# EAGLE board Mk4 Final Panel 8up 2x4 (EAGLE 9.0.1), part 7 of 23
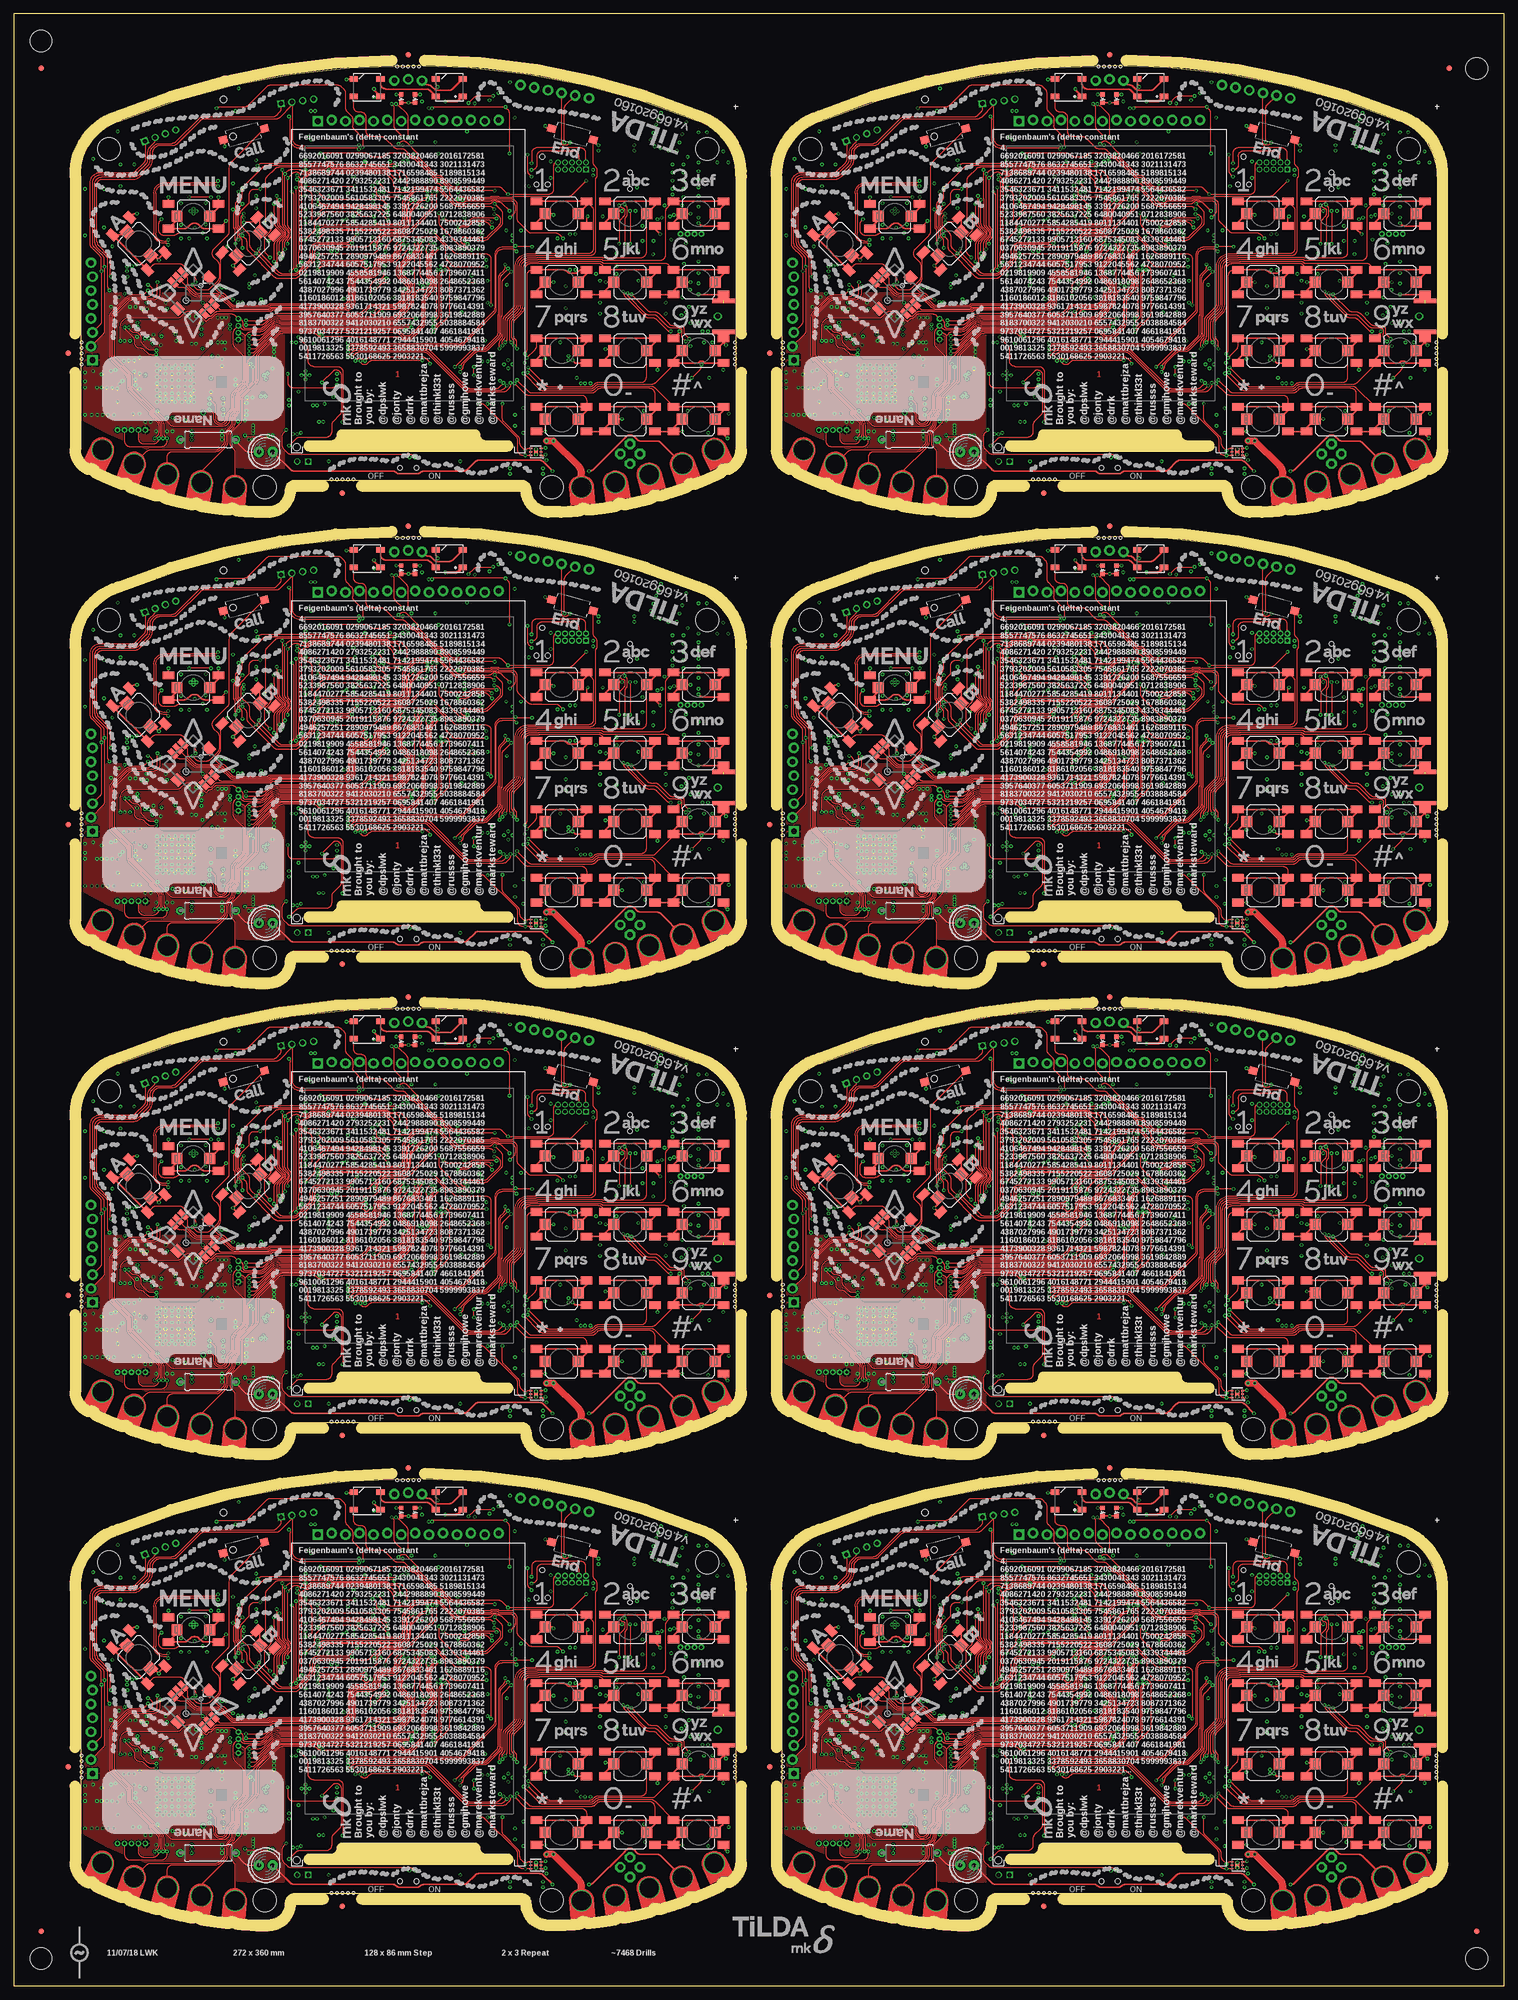
[diagram p0: board, top side]
## Tracks (layer width: path | path; a pad name or v marks a point on that pad's centre or on a via) (continued)
!RESET4  (via drill 0.3) (continued)
  Bottom 0.15: IC74.70 67.8,245.59 arc-45 67.95,245.95 68.25,246.25 arc-45 68.61,246.4 68.79,246.4 arc45 69.15,246.55 69.85,247.25 arc45 70,247.61 C449.2 | R322.1 70,249.79 arc-45 70.15,250.15 v70.25,250.25 | v80.5,209.5 80.5,203.82 arc45 81.01,202.59 86.09,197.51 arc45 87.33,197 90.45,197 arc-90 91.7,195.75 91.7,194.16 arc-45 91.41,193.46 90.41,192.46 arc-45 90.27,192.4 89.56,192.4 arc45 89.42,192.34 89.38,192.31 arc-45 89.24,192.25 S103.2
  Bottom 0.2: C449.2 R322.1
!RESET5  (via drill 0.3)
  Top 0.15: v217.7,228.2 217.7,227.81 arc-45 217.41,227.11 216.82,226.52 arc45 216.53,225.81 216.53,219.15 arc-45 216.5,219.08 216.43,219.01 arc45 216.4,218.94 216.4,215.76 arc-45 216.11,215.06 214.24,213.19 arc-45 213.54,212.9 212.31,212.9 arc45 211.61,212.61 v208.5,209.5
  Top 0.2: J53.10 226.84,246.84 arc45 226.6,246.27 226.6,242.05 arc-90 225.6,241.05 v218.2,241.05 217.19,242.06 arc45 216.49,242.35 208.46,242.35 arc-45 207.75,242.64 206.14,244.25 arc45 205.79,244.4 205.67,244.4 arc-45 204.96,244.69 202.02,247.63 arc-45 201.73,248.34 arc45 201.6,248.65 199.83,250.42 arc90 198.42,250.42 v198.25,250.25
  3V3@2 0.15: v218.2,241.05 218.2,238.8 216.62,237.22 216.62,236.38 216.5,236.26 216.5,230.65 217.7,229.45 v217.7,228.2
  Bottom 0.15: IC92.70 195.8,245.59 arc-45 195.95,245.95 196.25,246.25 arc-45 196.61,246.4 196.79,246.4 arc45 197.15,246.55 197.85,247.25 arc45 198,247.61 C557.2 | R400.1 198,249.79 arc-45 198.15,250.15 v198.25,250.25 | v208.5,209.5 208.5,203.82 arc45 209.01,202.59 214.09,197.51 arc45 215.32,197 218.45,197 arc-90 219.7,195.75 219.7,194.16 arc-45 219.41,193.46 218.41,192.46 arc-45 218.27,192.4 217.56,192.4 arc45 217.42,192.34 217.38,192.31 arc-45 217.24,192.25 S124.2
  Bottom 0.2: C557.2 R400.1
!RESET6  (via drill 0.3)
  Top 0.15: v89.7,314.2 89.7,313.81 arc-45 89.41,313.11 88.82,312.52 arc45 88.53,311.81 88.53,305.15 arc-45 88.5,305.08 88.43,305.01 arc45 88.4,304.94 88.4,301.76 arc-45 88.11,301.06 86.24,299.19 arc-45 85.54,298.9 84.31,298.9 arc45 83.61,298.61 v80.5,295.5
  Top 0.2: J63.10 98.84,332.83 arc45 98.6,332.27 98.6,328.05 arc-90 97.6,327.05 v90.2,327.05 89.19,328.06 arc45 88.49,328.35 80.46,328.35 arc-45 79.75,328.64 78.14,330.25 arc45 77.79,330.4 77.67,330.4 arc-45 76.96,330.69 74.02,333.63 arc-45 73.73,334.34 arc45 73.6,334.65 71.83,336.42 arc90 70.42,336.42 v70.25,336.25
  3V3@2 0.15: v90.2,327.05 90.2,324.8 88.62,323.23 88.62,322.38 88.5,322.26 88.5,316.65 89.7,315.45 v89.7,314.2
  Bottom 0.15: IC110.70 67.8,331.59 arc-45 67.95,331.95 68.25,332.25 arc-45 68.61,332.4 68.79,332.4 arc45 69.15,332.55 69.85,333.25 arc45 70,333.61 C665.2 | R478.1 70,335.79 arc-45 70.15,336.15 v70.25,336.25 | v80.5,295.5 80.5,289.82 arc45 81.01,288.59 86.09,283.51 arc45 87.33,283 90.45,283 arc-90 91.7,281.75 91.7,280.16 arc-45 91.41,279.46 90.41,278.46 arc-45 90.27,278.4 89.56,278.4 arc45 89.42,278.34 89.38,278.31 arc-45 89.24,278.25 S145.2
  Bottom 0.2: C665.2 R478.1
!RESET7  (via drill 0.3)
  Top 0.15: v217.7,314.2 217.7,313.81 arc-45 217.41,313.11 216.82,312.52 arc45 216.53,311.81 216.53,305.15 arc-45 216.5,305.08 216.43,305.01 arc45 216.4,304.94 216.4,301.76 arc-45 216.11,301.06 214.24,299.19 arc-45 213.54,298.9 212.31,298.9 arc45 211.61,298.61 v208.5,295.5
  Top 0.2: J73.10 226.84,332.83 arc45 226.6,332.27 226.6,328.05 arc-90 225.6,327.05 v218.2,327.05 217.19,328.06 arc45 216.49,328.35 208.46,328.35 arc-45 207.75,328.64 206.14,330.25 arc45 205.79,330.4 205.67,330.4 arc-45 204.96,330.69 202.02,333.63 arc-45 201.73,334.34 arc45 201.6,334.65 199.83,336.42 arc90 198.42,336.42 v198.25,336.25
  3V3@2 0.15: v218.2,327.05 218.2,324.8 216.62,323.23 216.62,322.38 216.5,322.26 216.5,316.65 217.7,315.45 v217.7,314.2
  Bottom 0.15: IC128.70 195.8,331.59 arc-45 195.95,331.95 196.25,332.25 arc-45 196.61,332.4 196.79,332.4 arc45 197.15,332.55 197.85,333.25 arc45 198,333.61 C773.2 | R556.1 198,335.79 arc-45 198.15,336.15 v198.25,336.25 | v208.5,295.5 208.5,289.82 arc45 209.01,288.59 214.09,283.51 arc45 215.32,283 218.45,283 arc-90 219.7,281.75 219.7,280.16 arc-45 219.41,279.46 218.41,278.46 arc-45 218.27,278.4 217.56,278.4 arc45 217.42,278.34 217.38,278.31 arc-45 217.24,278.25 S166.2
  Bottom 0.2: C773.2 R556.1
!WAKE  (via drill 0.3)
  Top 0.15: v66.5,71.2 68.11,69.59 arc45 68.81,69.3 71.87,69.3 arc45 72.22,69.45 72.81,70.03 arc-45 73.52,70.33 77.23,70.33 arc-45 77.76,70.1 80.4,67.47 arc45 81.11,67.17 82.24,67.17 82.27,67.2 86.54,67.2 arc45 87.25,67.49 87.52,67.77 arc-45 87.66,67.83 87.94,67.83 arc-45 88.08,67.77 88.18,67.66 arc45 88.33,67.6 88.49,67.6 arc-45 89.19,67.31 v90.5,66 | v81.5,37.5 81.52,37.52 arc-45 81.75,38.08 83.98,40.31 arc-45 84.69,40.6 85.66,40.6 arc45 86.37,40.89 88.41,42.93 arc45 88.7,43.64 88.7,46.82 arc-45 88.73,46.89 88.8,46.96 arc45 88.83,47.03 88.83,53.66 arc-45 89.12,54.37 v90.22,55.48
  3V3@2 0.15: v90.22,55.48 90.22,56.58 90.1,56.7 90.1,57.48 88.8,58.78 88.8,64.13 88.92,64.26 88.92,64.42 v90.5,66
  Bottom 0.15: S20.2 64.25,20.25 65.21,19.29 arc45 65.91,19 68.88,19 arc-45 69.58,18.71 69.97,18.32 arc45 70.32,18.18 73.68,18.18 arc45 74.03,18.32 74.42,18.71 arc-45 75.12,19 88.09,19 arc45 88.79,19.29 89.54,20.04 arc-45 89.68,20.1 90.39,20.1 arc45 90.53,20.16 91.63,21.26 arc45 92,22.14 92,23.8 arc90 90.5,25.3 87.4,25.3 arc-45 86.34,25.74 81.34,30.74 arc-45 80.9,31.8 80.9,36.49 arc-45 81.19,37.19 v81.5,37.5 | IC1.64 v66.5,71.2
  Bottom 0.2: IC1.64 62.7,71.2 R5.1
!WAKE1  (via drill 0.3)
  Top 0.15: v194.5,71.2 196.11,69.59 arc45 196.81,69.3 199.87,69.3 arc45 200.22,69.45 200.81,70.03 arc-45 201.51,70.33 205.23,70.33 arc-45 205.76,70.1 208.4,67.47 arc45 209.11,67.17 210.24,67.17 210.27,67.2 214.54,67.2 arc45 215.25,67.49 215.52,67.77 arc-45 215.66,67.83 215.94,67.83 arc-45 216.08,67.77 216.18,67.66 arc45 216.32,67.6 216.49,67.6 arc-45 217.19,67.31 v218.5,66 | v209.5,37.5 209.52,37.52 arc-45 209.75,38.08 211.98,40.31 arc-45 212.69,40.6 213.66,40.6 arc45 214.37,40.89 216.41,42.93 arc45 216.7,43.64 216.7,46.82 arc-45 216.73,46.89 216.8,46.96 arc45 216.82,47.03 216.82,53.66 arc-45 217.12,54.37 v218.22,55.48
  3V3@2 0.15: v218.22,55.48 218.22,56.58 218.1,56.7 218.1,57.48 216.8,58.78 216.8,64.13 216.93,64.26 216.93,64.42 v218.5,66
  Bottom 0.15: S41.2 192.25,20.25 193.21,19.29 arc45 193.91,19 196.88,19 arc-45 197.58,18.71 197.97,18.32 arc45 198.32,18.18 201.68,18.18 arc45 202.03,18.32 202.41,18.71 arc-45 203.12,19 216.09,19 arc45 216.79,19.29 217.54,20.04 arc-45 217.68,20.1 218.39,20.1 arc45 218.53,20.16 219.63,21.26 arc45 220,22.14 220,23.8 arc90 218.5,25.3 215.4,25.3 arc-45 214.34,25.74 209.34,30.74 arc-45 208.9,31.8 208.9,36.49 arc-45 209.19,37.19 v209.5,37.5 | IC20.64 v194.5,71.2
  Bottom 0.2: IC20.64 190.7,71.2 R89.1
!WAKE2  (via drill 0.3)
  Top 0.15: v66.5,157.2 68.11,155.59 arc45 68.81,155.3 71.87,155.3 arc45 72.22,155.45 72.81,156.03 arc-45 73.52,156.32 77.23,156.32 arc-45 77.76,156.1 80.4,153.47 arc45 81.11,153.18 82.24,153.18 82.27,153.2 86.54,153.2 arc45 87.25,153.49 87.52,153.77 arc-45 87.66,153.82 87.94,153.82 arc-45 88.08,153.77 88.18,153.66 arc45 88.33,153.6 88.49,153.6 arc-45 89.19,153.31 v90.5,152 | v81.5,123.5 81.52,123.52 arc-45 81.75,124.08 83.98,126.31 arc-45 84.69,126.6 85.66,126.6 arc45 86.37,126.89 88.41,128.93 arc45 88.7,129.64 88.7,132.82 arc-45 88.73,132.89 88.8,132.96 arc45 88.83,133.03 88.83,139.66 arc-45 89.12,140.37 v90.22,141.47
  3V3@2 0.15: v90.22,141.47 90.22,142.57 90.1,142.7 90.1,143.48 88.8,144.78 88.8,150.13 88.92,150.26 88.92,150.43 v90.5,152
  Bottom 0.15: S62.2 64.25,106.25 65.21,105.29 arc45 65.91,105 68.88,105 arc-45 69.58,104.71 69.97,104.32 arc45 70.32,104.17 73.68,104.17 arc45 74.03,104.32 74.42,104.71 arc-45 75.12,105 88.09,105 arc45 88.79,105.29 89.54,106.04 arc-45 89.68,106.1 90.39,106.1 arc45 90.53,106.16 91.63,107.26 arc45 92,108.14 92,109.8 arc90 90.5,111.3 87.4,111.3 arc-45 86.34,111.74 81.34,116.74 arc-45 80.9,117.8 80.9,122.49 arc-45 81.19,123.19 v81.5,123.5 | IC38.64 v66.5,157.2
  Bottom 0.2: IC38.64 62.7,157.2 R167.1
!WAKE3  (via drill 0.3)
  Top 0.15: v194.5,157.2 196.11,155.59 arc45 196.81,155.3 199.87,155.3 arc45 200.22,155.45 200.81,156.03 arc-45 201.51,156.32 205.23,156.32 arc-45 205.76,156.1 208.4,153.47 arc45 209.11,153.18 210.24,153.18 210.27,153.2 214.54,153.2 arc45 215.25,153.49 215.52,153.77 arc-45 215.66,153.82 215.94,153.82 arc-45 216.08,153.77 216.18,153.66 arc45 216.32,153.6 216.49,153.6 arc-45 217.19,153.31 v218.5,152 | v209.5,123.5 209.52,123.52 arc-45 209.75,124.08 211.98,126.31 arc-45 212.69,126.6 213.66,126.6 arc45 214.37,126.89 216.41,128.93 arc45 216.7,129.64 216.7,132.82 arc-45 216.73,132.89 216.8,132.96 arc45 216.82,133.03 216.82,139.66 arc-45 217.12,140.37 v218.22,141.47
  3V3@2 0.15: v218.22,141.47 218.22,142.57 218.1,142.7 218.1,143.48 216.8,144.78 216.8,150.13 216.93,150.26 216.93,150.43 v218.5,152
  Bottom 0.15: S83.2 192.25,106.25 193.21,105.29 arc45 193.91,105 196.88,105 arc-45 197.58,104.71 197.97,104.32 arc45 198.32,104.17 201.68,104.17 arc45 202.03,104.32 202.41,104.71 arc-45 203.12,105 216.09,105 arc45 216.79,105.29 217.54,106.04 arc-45 217.68,106.1 218.39,106.1 arc45 218.53,106.16 219.63,107.26 arc45 220,108.14 220,109.8 arc90 218.5,111.3 215.4,111.3 arc-45 214.34,111.74 209.34,116.74 arc-45 208.9,117.8 208.9,122.49 arc-45 209.19,123.19 v209.5,123.5 | IC56.64 v194.5,157.2
  Bottom 0.2: IC56.64 190.7,157.2 R245.1
!WAKE4  (via drill 0.3)
  Top 0.15: v66.5,243.2 68.11,241.59 arc45 68.81,241.3 71.87,241.3 arc45 72.22,241.45 72.81,242.03 arc-45 73.52,242.32 77.23,242.32 arc-45 77.76,242.1 80.4,239.47 arc45 81.11,239.18 82.24,239.18 82.27,239.2 86.54,239.2 arc45 87.25,239.49 87.52,239.77 arc-45 87.66,239.82 87.94,239.82 arc-45 88.08,239.77 88.18,239.66 arc45 88.33,239.6 88.49,239.6 arc-45 89.19,239.31 v90.5,238 | v81.5,209.5 81.52,209.52 arc-45 81.75,210.07 83.98,212.31 arc-45 84.69,212.6 85.66,212.6 arc45 86.37,212.89 88.41,214.93 arc45 88.7,215.64 88.7,218.82 arc-45 88.73,218.89 88.8,218.96 arc45 88.83,219.03 88.83,225.66 arc-45 89.12,226.37 v90.22,227.47
  3V3@2 0.15: v90.22,227.47 90.22,228.57 90.1,228.7 90.1,229.48 88.8,230.78 88.8,236.13 88.92,236.26 88.92,236.43 v90.5,238
  Bottom 0.15: S104.2 64.25,192.25 65.21,191.29 arc45 65.91,191 68.88,191 arc-45 69.58,190.71 69.97,190.32 arc45 70.32,190.18 73.68,190.18 arc45 74.03,190.32 74.42,190.71 arc-45 75.12,191 88.09,191 arc45 88.79,191.29 89.54,192.04 arc-45 89.68,192.1 90.39,192.1 arc45 90.53,192.16 91.63,193.26 arc45 92,194.14 92,195.8 arc90 90.5,197.3 87.4,197.3 arc-45 86.34,197.74 81.34,202.74 arc-45 80.9,203.8 80.9,208.49 arc-45 81.19,209.19 v81.5,209.5 | IC74.64 v66.5,243.2
  Bottom 0.2: IC74.64 62.7,243.2 R323.1
!WAKE5  (via drill 0.3)
  Top 0.15: v194.5,243.2 196.11,241.59 arc45 196.81,241.3 199.87,241.3 arc45 200.22,241.45 200.81,242.03 arc-45 201.51,242.32 205.23,242.32 arc-45 205.76,242.1 208.4,239.47 arc45 209.11,239.18 210.24,239.18 210.27,239.2 214.54,239.2 arc45 215.25,239.49 215.52,239.77 arc-45 215.66,239.82 215.94,239.82 arc-45 216.08,239.77 216.18,239.66 arc45 216.32,239.6 216.49,239.6 arc-45 217.19,239.31 v218.5,238 | v209.5,209.5 209.52,209.52 arc-45 209.75,210.07 211.98,212.31 arc-45 212.69,212.6 213.66,212.6 arc45 214.37,212.89 216.41,214.93 arc45 216.7,215.64 216.7,218.82 arc-45 216.73,218.89 216.8,218.96 arc45 216.82,219.03 216.82,225.66 arc-45 217.12,226.37 v218.22,227.47
  3V3@2 0.15: v218.22,227.47 218.22,228.57 218.1,228.7 218.1,229.48 216.8,230.78 216.8,236.13 216.93,236.26 216.93,236.43 v218.5,238
  Bottom 0.15: S125.2 192.25,192.25 193.21,191.29 arc45 193.91,191 196.88,191 arc-45 197.58,190.71 197.97,190.32 arc45 198.32,190.18 201.68,190.18 arc45 202.03,190.32 202.41,190.71 arc-45 203.12,191 216.09,191 arc45 216.79,191.29 217.54,192.04 arc-45 217.68,192.1 218.39,192.1 arc45 218.53,192.16 219.63,193.26 arc45 220,194.14 220,195.8 arc90 218.5,197.3 215.4,197.3 arc-45 214.34,197.74 209.34,202.74 arc-45 208.9,203.8 208.9,208.49 arc-45 209.19,209.19 v209.5,209.5 | IC92.64 v194.5,243.2
  Bottom 0.2: IC92.64 190.7,243.2 R401.1
!WAKE6  (via drill 0.3)
  Top 0.15: v66.5,329.2 68.11,327.59 arc45 68.81,327.3 71.87,327.3 arc45 72.22,327.45 72.81,328.03 arc-45 73.52,328.32 77.23,328.32 arc-45 77.76,328.11 80.4,325.47 arc45 81.11,325.18 82.24,325.18 82.27,325.2 86.54,325.2 arc45 87.25,325.49 87.52,325.77 arc-45 87.66,325.82 87.94,325.82 arc-45 88.08,325.77 88.18,325.66 arc45 88.33,325.6 88.49,325.6 arc-45 89.19,325.31 v90.5,324 | v81.5,295.5 81.52,295.52 arc-45 81.75,296.07 83.98,298.31 arc-45 84.69,298.6 85.66,298.6 arc45 86.37,298.89 88.41,300.93 arc45 88.7,301.64 88.7,304.82 arc-45 88.73,304.89 88.8,304.96 arc45 88.83,305.03 88.83,311.66 arc-45 89.12,312.37 v90.22,313.48
  3V3@2 0.15: v90.22,313.48 90.22,314.57 90.1,314.7 90.1,315.48 88.8,316.78 88.8,322.13 88.92,322.26 88.92,322.43 v90.5,324
  Bottom 0.15: S146.2 64.25,278.25 65.21,277.29 arc45 65.91,277 68.88,277 arc-45 69.58,276.71 69.97,276.32 arc45 70.32,276.18 73.68,276.18 arc45 74.03,276.32 74.42,276.71 arc-45 75.12,277 88.09,277 arc45 88.79,277.29 89.54,278.04 arc-45 89.68,278.1 90.39,278.1 arc45 90.53,278.16 91.63,279.26 arc45 92,280.14 92,281.8 arc90 90.5,283.3 87.4,283.3 arc-45 86.34,283.74 81.34,288.74 arc-45 80.9,289.8 80.9,294.49 arc-45 81.19,295.19 v81.5,295.5 | IC110.64 v66.5,329.2
  Bottom 0.2: IC110.64 62.7,329.2 R479.1
!WAKE7  (via drill 0.3)
  Top 0.15: v194.5,329.2 196.11,327.59 arc45 196.81,327.3 199.87,327.3 arc45 200.22,327.45 200.81,328.03 arc-45 201.51,328.32 205.23,328.32 arc-45 205.76,328.11 208.4,325.47 arc45 209.11,325.18 210.24,325.18 210.27,325.2 214.54,325.2 arc45 215.25,325.49 215.52,325.77 arc-45 215.66,325.82 215.94,325.82 arc-45 216.08,325.77 216.18,325.66 arc45 216.32,325.6 216.49,325.6 arc-45 217.19,325.31 v218.5,324 | v209.5,295.5 209.52,295.52 arc-45 209.75,296.07 211.98,298.31 arc-45 212.69,298.6 213.66,298.6 arc45 214.37,298.89 216.41,300.93 arc45 216.7,301.64 216.7,304.82 arc-45 216.73,304.89 216.8,304.96 arc45 216.82,305.03 216.82,311.66 arc-45 217.12,312.37 v218.22,313.48
  3V3@2 0.15: v218.22,313.48 218.22,314.57 218.1,314.7 218.1,315.48 216.8,316.78 216.8,322.13 216.93,322.26 216.93,322.43 v218.5,324
  Bottom 0.15: S167.2 192.25,278.25 193.21,277.29 arc45 193.91,277 196.88,277 arc-45 197.58,276.71 197.97,276.32 arc45 198.32,276.18 201.68,276.18 arc45 202.03,276.32 202.41,276.71 arc-45 203.12,277 216.09,277 arc45 216.79,277.29 217.54,278.04 arc-45 217.68,278.1 218.39,278.1 arc45 218.53,278.16 219.63,279.26 arc45 220,280.14 220,281.8 arc90 218.5,283.3 215.4,283.3 arc-45 214.34,283.74 209.34,288.74 arc-45 208.9,289.8 208.9,294.49 arc-45 209.19,295.19 v209.5,295.5 | IC128.64 v194.5,329.2
  Bottom 0.2: IC128.64 190.7,329.2 R557.1
ADC1_HALL  (via drill 0.3)
  Top 0.15: v83,53 v84.25,53
  Bottom 0.15: IC1.13 73.4,55.06 arc-45 73.11,54.36 73.04,54.29 arc45 72.75,53.59 72.75,52.5 arc90 73.75,51.5 78.34,51.5 arc45 79.04,51.79 79.67,52.42 arc-45 80.38,52.72 82.55,52.72 82.83,53 v83,53 | v84.25,53 84.96,52.29 arc45 85.66,52 87.59,52 arc-45 88.29,51.71 94.11,45.89 arc-45 94.4,45.19 94.4,39.33 arc45 94.91,38.09 99.79,33.21 arc45 101.03,32.7 104.5,32.7 arc-90 105.5,31.7 105.5,23.91 arc-45 105.21,23.21 104.54,22.54 arc-45 103.84,22.25 IC18.2
ADC1_HALL1  (via drill 0.3)
  Top 0.15: v211,53 v212.25,53
  Bottom 0.15: IC20.13 201.4,55.06 arc-45 201.11,54.36 201.04,54.29 arc45 200.75,53.59 200.75,52.5 arc90 201.75,51.5 206.34,51.5 arc45 207.04,51.79 207.67,52.42 arc-45 208.38,52.72 210.54,52.72 210.83,53 v211,53 | v212.25,53 212.96,52.29 arc45 213.66,52 215.59,52 arc-45 216.29,51.71 222.11,45.89 arc-45 222.4,45.19 222.4,39.33 arc45 222.91,38.09 227.79,33.21 arc45 229.03,32.7 232.5,32.7 arc-90 233.5,31.7 233.5,23.91 arc-45 233.21,23.21 232.54,22.54 arc-45 231.84,22.25 IC36.2
ADC1_HALL2  (via drill 0.3)
  Top 0.15: v83,139 v84.25,139
  Bottom 0.15: IC38.13 73.4,141.06 arc-45 73.11,140.36 73.04,140.29 arc45 72.75,139.59 72.75,138.5 arc90 73.75,137.5 78.34,137.5 arc45 79.04,137.79 79.67,138.42 arc-45 80.38,138.72 82.55,138.72 82.83,139 v83,139 | v84.25,139 84.96,138.29 arc45 85.66,138 87.59,138 arc-45 88.29,137.71 94.11,131.89 arc-45 94.4,131.19 94.4,125.33 arc45 94.91,124.09 99.79,119.21 arc45 101.03,118.7 104.5,118.7 arc-90 105.5,117.7 105.5,109.91 arc-45 105.21,109.21 104.54,108.54 arc-45 103.84,108.25 IC54.2
ADC1_HALL3  (via drill 0.3)
  Top 0.15: v211,139 v212.25,139
  Bottom 0.15: IC56.13 201.4,141.06 arc-45 201.11,140.36 201.04,140.29 arc45 200.75,139.59 200.75,138.5 arc90 201.75,137.5 206.34,137.5 arc45 207.04,137.79 207.67,138.42 arc-45 208.38,138.72 210.54,138.72 210.83,139 v211,139 | v212.25,139 212.96,138.29 arc45 213.66,138 215.59,138 arc-45 216.29,137.71 222.11,131.89 arc-45 222.4,131.19 222.4,125.33 arc45 222.91,124.09 227.79,119.21 arc45 229.03,118.7 232.5,118.7 arc-90 233.5,117.7 233.5,109.91 arc-45 233.21,109.21 232.54,108.54 arc-45 231.84,108.25 IC72.2
ADC1_HALL4  (via drill 0.3)
  Top 0.15: v83,225 v84.25,225
  Bottom 0.15: IC74.13 73.4,227.06 arc-45 73.11,226.36 73.04,226.29 arc45 72.75,225.59 72.75,224.5 arc90 73.75,223.5 78.34,223.5 arc45 79.04,223.79 79.67,224.42 arc-45 80.38,224.72 82.55,224.72 82.83,225 v83,225 | v84.25,225 84.96,224.29 arc45 85.66,224 87.59,224 arc-45 88.29,223.71 94.11,217.89 arc-45 94.4,217.19 94.4,211.32 arc45 94.91,210.09 99.79,205.21 arc45 101.03,204.7 104.5,204.7 arc-90 105.5,203.7 105.5,195.91 arc-45 105.21,195.21 104.54,194.54 arc-45 103.84,194.25 IC90.2
ADC1_HALL5  (via drill 0.3)
  Top 0.15: v211,225 v212.25,225
  Bottom 0.15: IC92.13 201.4,227.06 arc-45 201.11,226.36 201.04,226.29 arc45 200.75,225.59 200.75,224.5 arc90 201.75,223.5 206.34,223.5 arc45 207.04,223.79 207.67,224.42 arc-45 208.38,224.72 210.54,224.72 210.83,225 v211,225 | v212.25,225 212.96,224.29 arc45 213.66,224 215.59,224 arc-45 216.29,223.71 222.11,217.89 arc-45 222.4,217.19 222.4,211.32 arc45 222.91,210.09 227.79,205.21 arc45 229.03,204.7 232.5,204.7 arc-90 233.5,203.7 233.5,195.91 arc-45 233.21,195.21 232.54,194.54 arc-45 231.84,194.25 IC108.2
ADC1_HALL6  (via drill 0.3)
  Top 0.15: v83,311 v84.25,311
  Bottom 0.15: IC110.13 73.4,313.06 arc-45 73.11,312.36 73.04,312.29 arc45 72.75,311.59 72.75,310.5 arc90 73.75,309.5 78.34,309.5 arc45 79.04,309.79 79.67,310.42 arc-45 80.38,310.71 82.55,310.71 82.83,311 v83,311 | v84.25,311 84.96,310.29 arc45 85.66,310 87.59,310 arc-45 88.29,309.71 94.11,303.89 arc-45 94.4,303.19 94.4,297.32 arc45 94.91,296.09 99.79,291.21 arc45 101.03,290.7 104.5,290.7 arc-90 105.5,289.7 105.5,281.91 arc-45 105.21,281.21 104.54,280.54 arc-45 103.84,280.25 IC126.2
ADC1_HALL7  (via drill 0.3)
  Top 0.15: v211,311 v212.25,311
  Bottom 0.15: IC128.13 201.4,313.06 arc-45 201.11,312.36 201.04,312.29 arc45 200.75,311.59 200.75,310.5 arc90 201.75,309.5 206.34,309.5 arc45 207.04,309.79 207.67,310.42 arc-45 208.38,310.71 210.54,310.71 210.83,311 v211,311 | v212.25,311 212.96,310.29 arc45 213.66,310 215.59,310 arc-45 216.29,309.71 222.11,303.89 arc-45 222.4,303.19 222.4,297.32 arc45 222.91,296.09 227.79,291.21 arc45 229.03,290.7 232.5,290.7 arc-90 233.5,289.7 233.5,281.91 arc-45 233.21,281.21 232.54,280.54 arc-45 231.84,280.25 IC144.2
AIN6_SPK_ADC  (via drill 0.3)
  Top 0.15: v87.7,65.4 87.8,65.4 arc-90 88.8,64.4 88.8,64.01 arc-45 88.51,63.31 86.47,61.27 arc-45 85.76,60.98 82.83,60.98 82.75,61.05 arc45 82.39,61.2 82.1,61.2 arc90 81.6,60.7 81.6,60.5 arc90 82.1,60 v82.8,60
  Bottom 0.15: R46.2 94.75,64.4 arc90 93.75,65.4 92.6,65.4 | v87.7,65.4 92.6,65.4 | v82.8,60 81.71,60 arc45 81.35,59.85 81.25,59.75 arc-45 80.89,59.6 IC1.126 | IC11.7 92.67,65.33 92.6,65.4
AIN6_SPK_ADC1  (via drill 0.3)
  Top 0.15: v215.7,65.4 215.8,65.4 arc-90 216.8,64.4 216.8,64.01 arc-45 216.51,63.31 214.47,61.27 arc-45 213.76,60.98 210.82,60.98 210.75,61.05 arc45 210.39,61.2 210.1,61.2 arc90 209.6,60.7 209.6,60.5 arc90 210.1,60 v210.8,60
  Bottom 0.15: R127.2 222.75,64.4 arc90 221.75,65.4 220.6,65.4 | v215.7,65.4 220.6,65.4 | v210.8,60 209.71,60 arc45 209.35,59.85 209.25,59.75 arc-45 208.89,59.6 IC20.126 | IC26.7 220.68,65.33 220.6,65.4
AIN6_SPK_ADC2  (via drill 0.3)
  Top 0.15: v87.7,151.4 87.8,151.4 arc-90 88.8,150.4 88.8,150.01 arc-45 88.51,149.31 86.47,147.27 arc-45 85.76,146.97 82.83,146.97 82.75,147.05 arc45 82.39,147.2 82.1,147.2 arc90 81.6,146.7 81.6,146.5 arc90 82.1,146 v82.8,146
  Bottom 0.15: R205.2 94.75,150.4 arc90 93.75,151.4 92.6,151.4 | v87.7,151.4 92.6,151.4 | v82.8,146 81.71,146 arc45 81.35,145.85 81.25,145.75 arc-45 80.89,145.6 IC38.126 | IC44.7 92.67,151.32 92.6,151.4
AIN6_SPK_ADC3  (via drill 0.3)
  Top 0.15: v215.7,151.4 215.8,151.4 arc-90 216.8,150.4 216.8,150.01 arc-45 216.51,149.31 214.47,147.27 arc-45 213.76,146.97 210.82,146.97 210.75,147.05 arc45 210.39,147.2 210.1,147.2 arc90 209.6,146.7 209.6,146.5 arc90 210.1,146 v210.8,146
  Bottom 0.15: R283.2 222.75,150.4 arc90 221.75,151.4 220.6,151.4 | v215.7,151.4 220.6,151.4 | v210.8,146 209.71,146 arc45 209.35,145.85 209.25,145.75 arc-45 208.89,145.6 IC56.126 | IC62.7 220.68,151.32 220.6,151.4
AIN6_SPK_ADC4  (via drill 0.3)
  Top 0.15: v87.7,237.4 87.8,237.4 arc-90 88.8,236.4 88.8,236.01 arc-45 88.51,235.31 86.47,233.27 arc-45 85.76,232.97 82.83,232.97 82.75,233.05 arc45 82.39,233.2 82.1,233.2 arc90 81.6,232.7 81.6,232.5 arc90 82.1,232 v82.8,232
  Bottom 0.15: R361.2 94.75,236.4 arc90 93.75,237.4 92.6,237.4 | v87.7,237.4 92.6,237.4 | v82.8,232 81.71,232 arc45 81.35,231.85 81.25,231.75 arc-45 80.89,231.6 IC74.126 | IC80.7 92.67,237.32 92.6,237.4
AIN6_SPK_ADC5  (via drill 0.3)
  Top 0.15: v215.7,237.4 215.8,237.4 arc-90 216.8,236.4 216.8,236.01 arc-45 216.51,235.31 214.47,233.27 arc-45 213.76,232.97 210.82,232.97 210.75,233.05 arc45 210.39,233.2 210.1,233.2 arc90 209.6,232.7 209.6,232.5 arc90 210.1,232 v210.8,232
  Bottom 0.15: R439.2 222.75,236.4 arc90 221.75,237.4 220.6,237.4 | v215.7,237.4 220.6,237.4 | v210.8,232 209.71,232 arc45 209.35,231.85 209.25,231.75 arc-45 208.89,231.6 IC92.126 | IC98.7 220.68,237.32 220.6,237.4
AIN6_SPK_ADC6  (via drill 0.3)
  Top 0.15: v87.7,323.4 87.8,323.4 arc-90 88.8,322.4 88.8,322.01 arc-45 88.51,321.31 86.47,319.27 arc-45 85.76,318.98 82.83,318.98 82.75,319.05 arc45 82.39,319.2 82.1,319.2 arc90 81.6,318.7 81.6,318.5 arc90 82.1,318 v82.8,318
  Bottom 0.15: R517.2 94.75,322.4 arc90 93.75,323.4 92.6,323.4 | v87.7,323.4 92.6,323.4 | v82.8,318 81.71,318 arc45 81.35,317.85 81.25,317.75 arc-45 80.89,317.6 IC110.126 | IC116.7 92.67,323.32 92.6,323.4
AIN6_SPK_ADC7  (via drill 0.3)
  Top 0.15: v215.7,323.4 215.8,323.4 arc-90 216.8,322.4 216.8,322.01 arc-45 216.51,321.31 214.47,319.27 arc-45 213.76,318.98 210.82,318.98 210.75,319.05 arc45 210.39,319.2 210.1,319.2 arc90 209.6,318.7 209.6,318.5 arc90 210.1,318 v210.8,318
  Bottom 0.15: R595.2 222.75,322.4 arc90 221.75,323.4 220.6,323.4 | v215.7,323.4 220.6,323.4 | v210.8,318 209.71,318 arc45 209.35,317.85 209.25,317.75 arc-45 208.89,317.6 IC128.126 | IC134.7 220.68,323.32 220.6,323.4
AMP_!SHUTDOWN  (via drill 0.3)
  Top 0.15: v36,68.5 v32.05,68.5
  3V3@2 0.15: v60.75,64.5 60.75,64.05 60.55,63.85 60.55,55.55 v57.5,52.5
  Bottom 0.15: IC1.46 63.77,64 arc45 63.42,63.85 63.29,63.72 arc-45 62.94,63.58 61.88,63.58 arc-45 61.53,63.72 v60.75,64.5 | v57.5,52.5 57.09,52.91 arc45 56.39,53.2 43.78,53.2 arc-45 43.64,53.26 43.56,53.34 arc45 43.42,53.4 42.76,53.4 arc-45 42.06,53.69 41.54,54.21 arc-45 41.25,54.91 41.25,56.34 arc45 40.96,57.04 39.47,58.53 arc45 39.12,58.67 38.91,58.67 arc-90 38.17,59.41 arc45 37.88,60.12 37.79,60.21 arc-45 37.5,60.91 37.5,65.59 arc45 37.21,66.29 36.29,67.21 arc-45 36,67.91 v36,68.5
  Bottom 0.2: IC13.1 31.83,67.86 arc-45 32.05,68.4 v32.05,68.5 R74.1
AMP_!SHUTDOWN1  (via drill 0.3)
  Top 0.15: v164,68.5 v160.05,68.5
  3V3@2 0.15: v188.75,64.5 188.75,64.05 188.55,63.85 188.55,55.55 v185.5,52.5
  Bottom 0.15: IC20.46 191.78,64 arc45 191.42,63.85 191.29,63.72 arc-45 190.94,63.58 189.88,63.58 arc-45 189.53,63.72 v188.75,64.5 | v185.5,52.5 185.09,52.91 arc45 184.39,53.2 171.78,53.2 arc-45 171.64,53.26 171.56,53.34 arc45 171.42,53.4 170.76,53.4 arc-45 170.06,53.69 169.54,54.21 arc-45 169.25,54.91 169.25,56.34 arc45 168.96,57.04 167.47,58.53 arc45 167.12,58.67 166.91,58.67 arc-90 166.18,59.41 arc45 165.88,60.12 165.79,60.21 arc-45 165.5,60.91 165.5,65.59 arc45 165.21,66.29 164.29,67.21 arc-45 164,67.91 v164,68.5
  Bottom 0.2: IC28.1 159.82,67.86 arc-45 160.05,68.4 v160.05,68.5 R155.1
AMP_!SHUTDOWN2  (via drill 0.3)
  Top 0.15: v36,154.5 v32.05,154.5
  3V3@2 0.15: v60.75,150.5 60.75,150.05 60.55,149.85 60.55,141.55 v57.5,138.5
  Bottom 0.15: IC38.46 63.77,150 arc45 63.42,149.85 63.29,149.72 arc-45 62.94,149.57 61.88,149.57 arc-45 61.53,149.72 v60.75,150.5 | v57.5,138.5 57.09,138.91 arc45 56.39,139.2 43.78,139.2 arc-45 43.64,139.26 43.56,139.34 arc45 43.42,139.4 42.76,139.4 arc-45 42.06,139.69 41.54,140.21 arc-45 41.25,140.91 41.25,142.34 arc45 40.96,143.04 39.47,144.53 arc45 39.12,144.68 38.91,144.68 arc-90 38.17,145.41 arc45 37.88,146.12 37.79,146.21 arc-45 37.5,146.91 37.5,151.59 arc45 37.21,152.29 36.29,153.21 arc-45 36,153.91 v36,154.5